# KiCad board SparkFun_RTK_Facet_mosaic_panelized.kicad_pcb (continued)
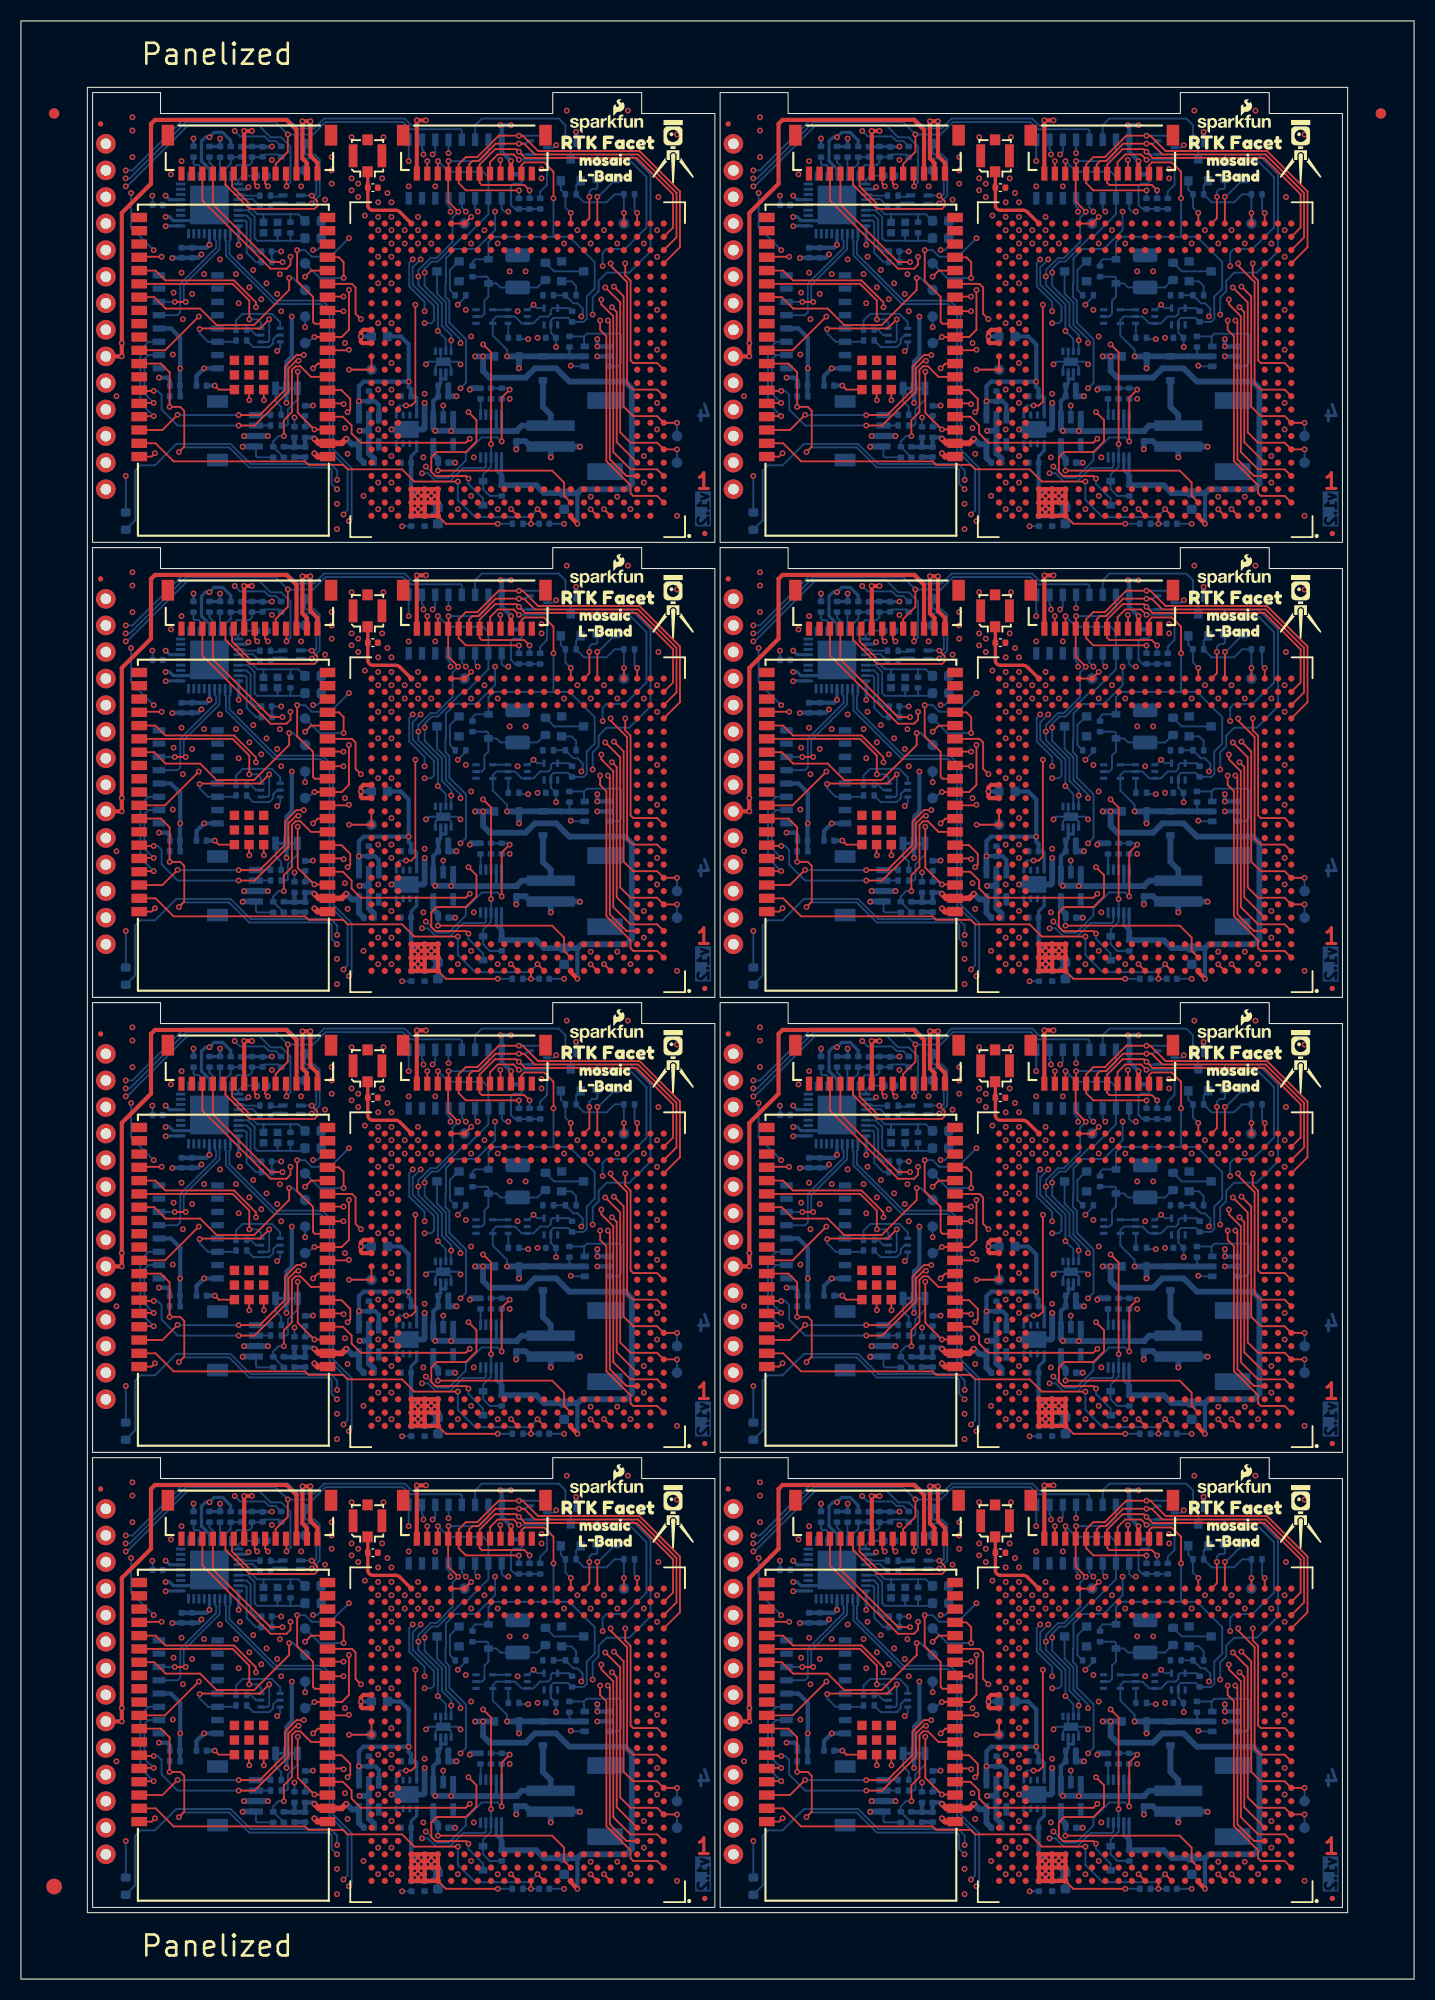
[diagram p0: board, top side]
## Routing (per net, layer and track width the routed paths; a pad name or vN(x,y) marks a point on that pad's centre or on a via; arc(x,y) is an arc through that point) (continued)
  Bottom w0.178: v1(98.6,114.81) 99.24,114.81 99.49,115.06 99.49,116.46 97.46,118.49 97.46,120.14 v1(98.22,120.9) ; U13#3.9 v1(97.08,43.3) ; U13.9 v1(97.08,130.3) ; v1(98.6,71.31) 99.24,71.31 99.49,71.56 99.49,72.96 97.46,74.99 97.46,76.64 v1(98.22,77.4) ; v1(38.22,33.9) 37.46,33.14 37.46,31.49 39.49,29.46 39.49,28.06 39.24,27.81 v1(38.6,27.81) ; U13#7.9 v1(37.08,130.3) ; v1(98.22,164.4) 97.46,163.64 97.46,161.99 99.49,159.96 99.49,158.56 99.24,158.31 v1(98.6,158.31) ; v1(38.22,164.4) 37.46,163.64 37.46,161.99 39.49,159.96 39.49,158.56 39.24,158.31 v1(38.6,158.31) ; v1(38.22,120.9) 37.46,120.14 37.46,118.49 39.49,116.46 39.49,115.06 39.24,114.81 v1(38.6,114.81) ; U13#6.9 v1(97.08,86.8) ; U13#5.9 v1(97.08,173.8) ; v1(38.22,77.4) 37.46,76.64 37.46,74.99 39.49,72.96 39.49,71.56 39.24,71.31 v1(38.6,71.31) ; v1(98.22,33.9) 97.46,33.14 97.46,31.49 99.49,29.46 99.49,28.06 99.24,27.81 v1(98.6,27.81) ; U13#8.9 v1(37.08,86.8) ; U13#4.9 v1(37.08,43.3) ; U13#2.9 v1(37.08,173.8)
ESP13/MTX1: length 433
  Top w0.178: U2#6.D1 120.82,100.84 118.28,100.84 116.63,102.49 116.63,115.46 115.49,116.61 v1(115.49,117.06) ; U1.16 30.4,121.1 30.85,120.65 v1(30.85,119.12) ; v1(55.49,73.56) 55.49,73.11 56.63,71.96 56.63,58.99 58.28,57.33 60.82,57.33 U2#5.D1 ; U2#8.D1 60.82,100.84 58.28,100.84 56.63,102.49 56.63,115.46 55.49,116.61 v1(55.49,117.06) ; U1#4.16 30.4,164.6 30.85,164.15 v1(30.85,162.62) ; v1(115.49,73.56) 115.49,73.11 116.63,71.96 116.63,58.99 118.28,57.33 120.82,57.33 U2#2.D1 ; v1(115.49,30.06) 115.49,29.61 116.63,28.46 116.63,15.49 118.28,13.84 120.82,13.84 U2#3.D1 ; v1(90.85,119.12) 90.85,120.65 90.4,121.1 U1#6.16 ; v1(115.49,160.56) 115.49,160.11 116.63,158.96 116.63,145.99 118.28,144.34 120.82,144.34 U2.D1 ; v1(90.85,75.62) 90.85,77.15 90.4,77.6 U1#2.16 ; U2#4.D1 60.82,13.84 58.28,13.84 56.63,15.49 56.63,28.46 55.49,29.61 v1(55.49,30.06) ; U1#3.16 30.4,77.6 30.85,77.15 v1(30.85,75.62) ; v1(30.85,32.12) 30.85,33.65 30.4,34.1 U1#7.16 ; U1#5.16 90.4,34.1 90.85,33.65 v1(90.85,32.12) ; v1(55.49,160.56) 55.49,160.11 56.63,158.96 56.63,145.99 58.28,144.34 60.82,144.34 U2#7.D1 ; v1(90.85,162.62) 90.85,164.15 90.4,164.6 U1#8.16
  In2.Cu w0.178: v1(90.85,119.12) 90.96,119.12 92.68,117.4 96.61,117.4 96.97,117.75 114.58,117.75 115.26,117.06 v1(115.49,117.06) ; v1(90.85,75.62) 90.96,75.62 92.68,73.9 96.61,73.9 96.97,74.25 114.58,74.25 115.26,73.56 v1(115.49,73.56) ; v1(55.49,30.06) 55.26,30.06 54.58,30.75 36.97,30.75 36.61,30.4 32.68,30.4 30.96,32.12 v1(30.85,32.12) ; v1(90.85,32.12) 90.96,32.12 92.68,30.4 96.61,30.4 96.97,30.75 114.58,30.75 115.26,30.06 v1(115.49,30.06) ; v1(30.85,162.62) 30.96,162.62 32.68,160.9 36.61,160.9 36.97,161.25 54.58,161.25 55.26,160.56 v1(55.49,160.56) ; v1(55.49,117.06) 55.26,117.06 54.58,117.75 36.97,117.75 36.61,117.4 32.68,117.4 30.96,119.12 v1(30.85,119.12) ; v1(90.85,162.62) 90.96,162.62 92.68,160.9 96.61,160.9 96.97,161.25 114.58,161.25 115.26,160.56 v1(115.49,160.56) ; v1(55.49,73.56) 55.26,73.56 54.58,74.25 36.97,74.25 36.61,73.9 32.68,73.9 30.96,75.62 v1(30.85,75.62)
  Bottom w0.178: TP15#4.1 88.57,162.62 v1(90.85,162.62) ; TP15#3.1 28.57,32.12 v1(30.85,32.12) ; TP15#2.1 28.57,75.62 v1(30.85,75.62) ; v1(90.85,75.62) 88.57,75.62 TP15#7.1 ; TP15#6.1 88.57,119.12 v1(90.85,119.12) ; TP15.1 28.57,119.12 v1(30.85,119.12) ; TP15#8.1 88.57,32.12 v1(90.85,32.12) ; TP15#5.1 28.57,162.62 v1(30.85,162.62)
ESP14/MRX1: length 447.8
  Top w0.178: v1(55.38,115.06) 55.38,114.16 55.97,113.56 55.97,101.62 58.28,99.31 58.28,98.55 58.54,98.3 60.82,98.3 U2#8.B1 ; v1(115.38,115.06) 115.38,114.16 115.97,113.56 115.97,101.62 118.28,99.31 118.28,98.55 118.54,98.3 120.82,98.3 U2#6.B1 ; U1#4.13 29.36,160.84 v1(30.84,160.84) ; U2#5.B1 60.82,54.8 58.54,54.8 58.28,55.05 58.28,55.81 55.97,58.12 55.97,70.06 55.38,70.66 v1(55.38,71.56) ; U1#5.13 89.37,30.34 v1(90.84,30.34) ; U2#2.B1 120.82,54.8 118.54,54.8 118.28,55.05 118.28,55.81 115.97,58.12 115.97,70.06 115.38,70.66 v1(115.38,71.56) ; U1#3.13 29.36,73.84 v1(30.84,73.84) ; v1(115.38,158.56) 115.38,157.66 115.97,157.06 115.97,145.12 118.28,142.81 118.28,142.05 118.54,141.8 120.82,141.8 U2.B1 ; v1(30.84,117.34) 29.36,117.34 U1.13 ; U2#4.B1 60.82,11.29 58.54,11.29 58.28,11.55 58.28,12.31 55.97,14.62 55.97,26.56 55.38,27.16 v1(55.38,28.06) ; U1#6.13 89.37,117.34 v1(90.84,117.34) ; U1#8.13 89.37,160.84 v1(90.84,160.84) ; U2#7.B1 60.82,141.8 58.54,141.8 58.28,142.05 58.28,142.81 55.97,145.12 55.97,157.06 55.38,157.66 v1(55.38,158.56) ; v1(30.84,30.34) 29.36,30.34 U1#7.13 ; U1#2.13 89.37,73.84 v1(90.84,73.84) ; v1(115.38,28.06) 115.38,27.16 115.97,26.56 115.97,14.62 118.28,12.31 118.28,11.55 118.54,11.29 120.82,11.29 U2#3.B1
  In2.Cu w0.178: v1(27.17,114.42) 27.25,114.5 29.79,114.5 30.32,115.03 30.32,116.82 v1(30.84,117.34) 31.45,116.74 36.89,116.74 37.24,117.09 54.09,117.09 55.38,115.81 v1(55.38,115.06) ; v1(87.17,157.92) 87.25,158 89.79,158 90.32,158.53 90.32,160.32 v1(90.84,160.84) 91.45,160.24 96.89,160.24 97.24,160.59 114.09,160.59 115.38,159.31 v1(115.38,158.56) ; v1(87.17,27.42) 87.25,27.5 89.79,27.5 90.32,28.03 90.32,29.82 v1(90.84,30.34) 91.45,29.74 96.89,29.74 97.24,30.09 114.09,30.09 115.38,28.81 v1(115.38,28.06) ; v1(115.38,115.06) 115.38,115.81 114.09,117.09 97.24,117.09 96.89,116.74 91.45,116.74 v1(90.84,117.34) 90.32,116.82 90.32,115.03 89.79,114.5 87.25,114.5 v1(87.17,114.42) ; v1(27.17,27.42) 27.25,27.5 29.79,27.5 30.32,28.03 30.32,29.82 v1(30.84,30.34) 31.45,29.74 36.89,29.74 37.24,30.09 54.09,30.09 55.38,28.81 v1(55.38,28.06) ; v1(55.38,158.56) 55.38,159.31 54.09,160.59 37.24,160.59 36.89,160.24 31.45,160.24 v1(30.84,160.84) 30.32,160.32 30.32,158.53 29.79,158 27.25,158 v1(27.17,157.92) ; v1(87.17,70.92) 87.25,71 89.79,71 90.32,71.53 90.32,73.32 v1(90.84,73.84) 91.45,73.24 96.89,73.24 97.24,73.59 114.09,73.59 115.38,72.31 v1(115.38,71.56) ; v1(27.17,70.92) 27.25,71 29.79,71 30.32,71.53 30.32,73.32 v1(30.84,73.84) 31.45,73.24 36.89,73.24 37.24,73.59 54.09,73.59 55.38,72.31 v1(55.38,71.56)
  Bottom w0.178: v1(27.17,157.92) TP16.1 ; v1(27.17,27.42) TP16#7.1 ; v1(87.17,70.92) TP16#4.1 ; v1(87.17,114.42) TP16#3.1 ; v1(87.17,157.92) TP16#2.1 ; v1(87.17,27.42) TP16#6.1 ; v1(27.17,70.92) TP16#5.1 ; v1(27.17,114.42) TP16#8.1
ESP15/SD_~{DET}: length 385.7
  Top w0.178: J4#6.4 45.85,43.4 v1(45.83,43.41) ; J4#2.4 45.85,86.9 v1(45.83,86.91) ; v1(73.45,34.16) 71.37,34.16 U1#5.23 ; U1#6.23 71.37,121.16 v1(73.45,121.16) ; v1(45.83,173.91) 45.85,173.9 J4#4.4 ; v1(105.83,43.41) 105.85,43.4 J4#7.4 ; J4#3.4 105.85,130.4 v1(105.83,130.41) ; v1(13.45,121.16) 11.36,121.16 U1.23 ; v1(45.83,130.41) 45.85,130.4 J4#5.4 ; U1#4.23 11.36,164.66 v1(13.45,164.66) ; U1#8.23 71.37,164.66 v1(73.45,164.66) ; J4#8.4 105.85,173.9 v1(105.83,173.91) ; v1(13.45,77.66) 11.36,77.66 U1#3.23 ; J4.4 105.85,86.9 v1(105.83,86.91) ; v1(13.45,34.16) 11.36,34.16 U1#7.23 ; v1(73.45,77.66) 71.37,77.66 U1#2.23
  In2.Cu w0.178: v1(13.45,77.66) 13.45,78.8 13.2,79.05 13.2,85.53 15.61,87.94 16.5,87.94 17.26,88.7 17.26,89.34 17.64,89.72 19.3,89.72 20.19,88.83 27.8,88.83 28.81,89.85 36.7,89.85 37.02,89.53 43.22,89.53 v1(45.83,86.91) ; v1(73.45,77.66) 73.45,78.8 73.2,79.05 73.2,85.53 75.61,87.94 76.5,87.94 77.26,88.7 77.26,89.34 77.65,89.72 79.3,89.72 80.19,88.83 87.8,88.83 88.81,89.85 96.7,89.85 97.02,89.53 103.22,89.53 v1(105.83,86.91) ; v1(45.83,173.91) 43.22,176.53 37.02,176.53 36.7,176.85 28.81,176.85 27.8,175.83 20.19,175.83 19.3,176.72 17.64,176.72 17.26,176.34 17.26,175.7 16.5,174.94 15.61,174.94 13.2,172.53 13.2,166.05 13.45,165.8 v1(13.45,164.66) ; v1(105.83,130.41) 103.22,133.03 97.02,133.03 96.7,133.35 88.81,133.35 87.8,132.33 80.19,132.33 79.3,133.22 77.65,133.22 77.26,132.84 77.26,132.2 76.5,131.44 75.61,131.44 73.2,129.03 73.2,122.55 73.45,122.3 v1(73.45,121.16) ; v1(45.83,43.41) 43.22,46.03 37.02,46.03 36.7,46.35 28.81,46.35 27.8,45.33 20.19,45.33 19.3,46.22 17.64,46.22 17.26,45.84 17.26,45.2 16.5,44.44 15.61,44.44 13.2,42.03 13.2,35.55 13.45,35.3 v1(13.45,34.16) ; v1(105.83,43.41) 103.22,46.03 97.02,46.03 96.7,46.35 88.81,46.35 87.8,45.33 80.19,45.33 79.3,46.22 77.65,46.22 77.26,45.84 77.26,45.2 76.5,44.44 75.61,44.44 73.2,42.03 73.2,35.55 73.45,35.3 v1(73.45,34.16) ; v1(73.45,164.66) 73.45,165.8 73.2,166.05 73.2,172.53 75.61,174.94 76.5,174.94 77.26,175.7 77.26,176.34 77.65,176.72 79.3,176.72 80.19,175.83 87.8,175.83 88.81,176.85 96.7,176.85 97.02,176.53 103.22,176.53 v1(105.83,173.91) ; v1(13.45,121.16) 13.45,122.3 13.2,122.55 13.2,129.03 15.61,131.44 16.5,131.44 17.26,132.2 17.26,132.84 17.64,133.22 19.3,133.22 20.19,132.33 27.8,132.33 28.81,133.35 36.7,133.35 37.02,133.03 43.22,133.03 v1(45.83,130.41)
ESP18/MEventB: length 571
  Top w0.178: U1#3.30 13.78,68.71 v1(17.01,71.94) ; U1#5.30 73.78,25.21 v1(77.01,28.44) ; U1#6.30 73.78,112.21 v1(77.01,115.44) ; U1#2.30 73.78,68.71 v1(77.01,71.94) ; v1(77.01,158.94) 73.78,155.71 U1#8.30 ; U1#4.30 13.78,155.71 v1(17.01,158.94) ; U1#7.30 13.78,25.21 v1(17.01,28.44) ; U1.30 13.78,112.21 v1(17.01,115.44)
  In2.Cu w0.178: v1(114.67,159.13) 114.22,159.57 112.57,159.57 111.81,158.81 100.25,158.81 99.11,157.67 93.65,157.67 93.39,157.92 90.73,157.92 88.62,155.82 85.25,155.82 84.8,156.27 84.35,156.27 83.47,157.16 78.79,157.16 v1(77.01,158.94) ; v1(77.01,71.94) 78.79,70.16 83.47,70.16 84.35,69.27 84.8,69.27 85.25,68.82 88.62,68.82 90.73,70.92 93.39,70.92 93.65,70.67 99.11,70.67 100.25,71.81 111.81,71.81 112.57,72.58 114.22,72.58 v1(114.67,72.13) ; v1(17.01,158.94) 18.79,157.16 23.47,157.16 24.35,156.27 24.8,156.27 25.25,155.82 28.62,155.82 30.73,157.92 33.39,157.92 33.65,157.67 39.11,157.67 40.25,158.81 51.81,158.81 52.57,159.57 54.22,159.57 v1(54.67,159.13) ; v1(114.67,115.63) 114.22,116.08 112.57,116.08 111.81,115.31 100.25,115.31 99.11,114.17 93.65,114.17 93.39,114.42 90.73,114.42 88.62,112.32 85.25,112.32 84.8,112.77 84.35,112.77 83.47,113.66 78.79,113.66 v1(77.01,115.44) ; v1(77.01,28.44) 78.79,26.66 83.47,26.66 84.35,25.77 84.8,25.77 85.25,25.32 88.62,25.32 90.73,27.42 93.39,27.42 93.65,27.17 99.11,27.17 100.25,28.31 111.81,28.31 112.57,29.07 114.22,29.07 v1(114.67,28.63) ; v1(17.01,28.44) 18.79,26.66 23.47,26.66 24.35,25.77 24.8,25.77 25.25,25.32 28.62,25.32 30.73,27.42 33.39,27.42 33.65,27.17 39.11,27.17 40.25,28.31 51.81,28.31 52.57,29.07 54.22,29.07 v1(54.67,28.63) ; v1(54.67,72.13) 54.22,72.58 52.57,72.58 51.81,71.81 40.25,71.81 39.11,70.67 33.65,70.67 33.39,70.92 30.73,70.92 28.62,68.82 25.25,68.82 24.8,69.27 24.35,69.27 23.47,70.16 18.79,70.16 v1(17.01,71.94) ; v1(54.67,115.63) 54.22,116.08 52.57,116.08 51.81,115.31 40.25,115.31 39.11,114.17 33.65,114.17 33.39,114.42 30.73,114.42 28.62,112.32 25.25,112.32 24.8,112.77 24.35,112.77 23.47,113.66 18.79,113.66 v1(17.01,115.44)
  Bottom w0.178: v1(54.67,72.13) 54.67,73.78 55.24,74.35 55.24,75.37 56,76.13 58.16,76.13 60.19,78.16 60.19,85.53 58.28,87.43 55.24,87.43 55.11,87.31 R41#4.1 ; R41.1 55.11,130.81 55.24,130.93 58.28,130.93 60.19,129.03 60.19,121.66 58.16,119.63 56,119.63 55.24,118.87 55.24,117.85 54.67,117.28 v1(54.67,115.63) ; v1(54.67,159.13) 54.67,160.78 55.24,161.35 55.24,162.37 56,163.13 58.16,163.13 60.19,165.16 60.19,172.53 58.28,174.43 55.24,174.43 55.11,174.31 R41#8.1 ; R41#6.1 115.11,87.31 115.24,87.43 118.28,87.43 120.19,85.53 120.19,78.16 118.16,76.13 116,76.13 115.24,75.37 115.24,74.35 114.67,73.78 v1(114.67,72.13) ; v1(54.67,28.63) 54.67,30.28 55.24,30.85 55.24,31.87 56,32.63 58.16,32.63 60.19,34.66 60.19,42.03 58.28,43.93 55.24,43.93 55.11,43.81 R41#7.1 ; v1(114.67,159.13) 114.67,160.78 115.24,161.35 115.24,162.37 116,163.13 118.16,163.13 120.19,165.16 120.19,172.53 118.28,174.43 115.24,174.43 115.11,174.31 R41#3.1 ; v1(114.67,28.63) 114.67,30.28 115.24,30.85 115.24,31.87 116,32.63 118.16,32.63 120.19,34.66 120.19,42.03 118.28,43.93 115.24,43.93 115.11,43.81 R41#5.1 ; v1(114.67,115.63) 114.67,117.28 115.24,117.85 115.24,118.87 116,119.63 118.16,119.63 120.19,121.66 120.19,129.03 118.28,130.93 115.24,130.93 115.11,130.81 R41#2.1
ESP19/CHG_STAT2: length 381.1
  Top w0.178: U1#8.31 73.38,154.44 74.22,153.61 v1(74.22,150.3) 75.23,150.3 75.61,149.92 75.61,146.49 v1(75.1,145.99) ; v1(75.1,102.49) 75.61,102.99 75.61,106.42 75.23,106.8 v1(74.22,106.8) 74.22,110.11 73.38,110.94 U1#6.31 ; v1(75.1,58.99) 75.61,59.49 75.61,62.92 75.23,63.3 v1(74.22,63.3) 74.22,66.61 73.38,67.44 U1#2.31 ; U1#3.31 13.38,67.44 14.22,66.61 v1(14.22,63.3) 15.23,63.3 15.61,62.92 15.61,59.49 v1(15.11,58.99) ; v1(15.11,145.99) 15.61,146.49 15.61,149.92 15.23,150.3 v1(14.22,150.3) 14.22,153.61 13.38,154.44 U1#4.31 ; U1.31 13.38,110.94 14.22,110.11 v1(14.22,106.8) 15.23,106.8 15.61,106.42 15.61,102.99 v1(15.11,102.49) ; v1(15.11,15.49) 15.61,15.99 15.61,19.42 15.23,19.8 v1(14.22,19.8) 14.22,23.11 13.38,23.94 U1#7.31 ; v1(75.1,15.49) 75.61,15.99 75.61,19.42 75.23,19.8 v1(74.22,19.8) 74.22,23.11 73.38,23.94 U1#5.31
  In2.Cu w0.178: v1(98.35,100.45) 96.82,98.93 v1(90.22,98.93) ; v1(30.22,55.43) 36.82,55.43 v1(38.35,56.95) ; v1(30.22,11.93) 36.82,11.93 v1(38.35,13.45) ; v1(98.35,56.95) 96.82,55.43 v1(90.22,55.43) ; v1(98.35,13.45) 96.82,11.93 v1(90.22,11.93) ; v1(30.22,98.93) 36.82,98.93 v1(38.35,100.45) ; v1(30.22,142.43) 36.82,142.43 v1(38.35,143.95) ; v1(90.22,142.43) 96.82,142.43 v1(98.35,143.95)
  Bottom w0.178: 14.21,63.31 v1(14.22,63.3) 14.22,64.32 R10#3.2 ; v1(75.1,145.99) 75.55,146.43 79.91,146.43 81.83,144.51 89.47,144.51 89.71,144.27 89.71,142.94 v1(90.22,142.43) ; v1(90.22,11.93) 89.71,12.44 89.71,13.77 89.47,14.01 81.83,14.01 79.91,15.93 75.55,15.93 v1(75.1,15.49) ; v1(30.22,142.43) 29.71,142.94 29.71,144.27 29.47,144.51 21.83,144.51 19.91,146.43 15.55,146.43 v1(15.11,145.99) ; v1(75.1,102.49) 75.55,102.93 79.91,102.93 81.83,101.01 89.47,101.01 89.71,100.77 89.71,99.44 v1(90.22,98.93) ; v1(15.11,58.99) 15.55,59.43 19.91,59.43 21.83,57.51 29.47,57.51 29.71,57.27 29.71,55.94 v1(30.22,55.43) ; R10#4.2 74.22,64.32 v1(74.22,63.3) 74.21,63.31 ; U10#7.4 44.45,144.6 44.31,144.46 42.28,144.46 41.01,143.19 39.68,143.19 38.92,143.95 v1(38.35,143.95) ; v1(30.22,11.93) 29.71,12.44 29.71,13.77 29.47,14.01 21.83,14.01 19.91,15.93 15.55,15.93 v1(15.11,15.49) ; v1(75.1,58.99) 75.55,59.43 79.91,59.43 81.83,57.51 89.47,57.51 89.71,57.27 89.71,55.94 v1(90.22,55.43) ; R10#6.2 14.22,107.82 v1(14.22,106.8) 14.21,106.81 ; v1(38.35,13.45) 38.92,13.45 39.68,12.69 41.01,12.69 42.28,13.96 44.31,13.96 44.45,14.1 U10#3.4 ; U10#6.4 104.45,57.6 104.31,57.46 102.28,57.46 101.01,56.19 99.68,56.19 98.92,56.95 v1(98.35,56.95) ; v1(30.22,98.93) 29.71,99.44 29.71,100.77 29.47,101.01 21.83,101.01 19.91,102.93 15.55,102.93 v1(15.11,102.49) ; U10#4.4 44.45,101.1 44.31,100.96 42.28,100.96 41.01,99.69 39.68,99.69 38.92,100.45 v1(38.35,100.45) ; R10#2.2 74.22,20.82 v1(74.22,19.8) 74.21,19.81 ; U10#5.4 104.45,14.1 104.31,13.96 102.28,13.96 101.01,12.69 99.68,12.69 98.92,13.45 v1(98.35,13.45) ; 74.21,150.31 v1(74.22,150.3) 74.22,151.32 R10.2 ; v1(98.35,100.45) 98.92,100.45 99.68,99.69 101.01,99.69 102.28,100.96 104.31,100.96 104.45,101.1 U10#8.4 ; 14.21,19.81 v1(14.22,19.8) 14.22,20.82 R10#5.2 ; R10#7.2 74.22,107.82 v1(74.22,106.8) 74.21,106.81 ; 14.21,150.31 v1(14.22,150.3) 14.22,151.32 R10#8.2 ; U10#2.4 104.45,144.6 104.31,144.46 102.28,144.46 101.01,143.19 99.68,143.19 98.92,143.95 v1(98.35,143.95) ; v1(38.35,56.95) 38.92,56.95 39.68,56.19 41.01,56.19 42.28,57.46 44.31,57.46 44.45,57.6 U10.4
ESP21/SDA: length 706.9
  Top w0.178: v1(86.53,24.21) 86.31,24.21 85.57,23.47 85.57,21.25 82.34,18.02 v1(80.82,18.02) ; v1(12.69,151.83) 11.39,151.83 U1#4.33 ; v1(20.82,18.02) 22.34,18.02 25.57,21.25 25.57,23.47 26.31,24.21 v1(26.53,24.21) ; J4#2.10 39.87,85.62 v1(39.87,86.8) ; v1(80.82,148.52) 82.34,148.52 85.57,151.75 85.57,153.97 86.31,154.71 v1(86.53,154.71) ; U1#3.33 11.39,64.83 v1(12.69,64.83) ; v1(99.87,173.8) 99.87,172.62 J4#8.10 ; v1(72.69,21.33) 71.39,21.33 U1#5.33 ; v1(86.53,111.21) 86.31,111.21 85.57,110.47 85.57,108.25 82.34,105.02 v1(80.82,105.02) ; v1(22.6,127.89) 22.35,128.13 J5#3.7 ; U1#7.33 11.39,21.33 v1(12.69,21.33) ; v1(82.6,171.39) 82.35,171.63 J5#4.7 ; v1(39.87,43.3) 39.87,42.12 J4#6.10 ; v1(72.69,151.83) 71.39,151.83 U1#8.33 ; J5#7.7 82.35,41.13 v1(82.6,40.89) ; v1(22.6,84.39) 22.35,84.63 J5#6.7 ; U1.33 11.39,108.33 v1(12.69,108.33) ; J5.7 82.35,128.13 v1(82.6,127.89) ; U1#2.33 71.39,64.83 v1(72.69,64.83) ; v1(39.87,173.8) 39.87,172.62 J4#4.10 ; U1#6.33 71.39,108.33 v1(72.69,108.33) ; v1(82.6,84.39) 82.35,84.63 J5#5.7 ; v1(80.82,61.52) 82.34,61.52 85.57,64.75 85.57,66.97 86.31,67.71 v1(86.53,67.71) ; v1(99.87,130.3) 99.87,129.12 J4#3.10 ; v1(99.87,86.8) 99.87,85.62 J4.10 ; v1(39.87,130.3) 39.87,129.12 J4#5.10 ; v1(26.53,154.71) 26.31,154.71 25.57,153.97 25.57,151.75 22.34,148.52 v1(20.82,148.52) ; v1(20.82,61.52) 22.34,61.52 25.57,64.75 25.57,66.97 26.31,67.71 v1(26.53,67.71) ; v1(26.53,111.21) 26.31,111.21 25.57,110.47 25.57,108.25 22.34,105.02 v1(20.82,105.02) ; J5#2.7 22.35,171.63 v1(22.6,171.39) ; v1(22.6,40.89) 22.35,41.13 J5#8.7 ; J4#7.10 99.87,42.12 v1(99.87,43.3)
  In2.Cu w0.178: v1(101.14,26.15) 100.89,25.9 93.61,25.9 91.91,24.21 v1(86.53,24.21) ; v1(98.6,32.64) 98.36,32.89 92.88,32.89 87.93,37.84 87.68,37.84 84.11,41.41 83.12,41.41 v1(82.6,40.89) ; v1(98.6,119.64) 98.36,119.88 92.88,119.88 87.93,124.84 87.68,124.84 84.11,128.41 83.12,128.41 v1(82.6,127.89) ; v1(98.6,163.14) 98.36,163.38 92.88,163.38 87.93,168.34 87.68,168.34 84.11,171.91 83.12,171.91 v1(82.6,171.39) ; v1(22.6,84.39) 23.12,84.91 24.11,84.91 27.68,81.34 27.93,81.34 32.89,76.39 38.36,76.39 v1(38.6,76.14) ; v1(98.6,76.14) 98.36,76.39 92.88,76.39 87.93,81.34 87.68,81.34 84.11,84.91 83.12,84.91 v1(82.6,84.39) ; v1(22.6,171.39) 23.12,171.91 24.11,171.91 27.68,168.34 27.93,168.34 32.89,163.38 38.36,163.38 v1(38.6,163.14) ; v1(101.14,113.15) 100.89,112.9 93.61,112.9 91.91,111.21 v1(86.53,111.21) ; v1(22.6,127.89) 23.12,128.41 24.11,128.41 27.68,124.84 27.93,124.84 32.89,119.88 38.36,119.88 v1(38.6,119.64) ; v1(38.6,32.64) 38.36,32.89 32.89,32.89 27.93,37.84 27.68,37.84 24.11,41.41 23.12,41.41 v1(22.6,40.89) ; v1(26.53,24.21) 31.91,24.21 33.61,25.9 40.89,25.9 v1(41.14,26.15) ; v1(41.14,69.65) 40.89,69.4 33.61,69.4 31.91,67.71 v1(26.53,67.71) ; v1(26.53,154.71) 31.91,154.71 33.61,156.4 40.89,156.4 v1(41.14,156.65) ; v1(41.14,113.15) 40.89,112.9 33.61,112.9 31.91,111.21 v1(26.53,111.21) ; v1(86.53,154.71) 91.91,154.71 93.61,156.4 100.89,156.4 v1(101.14,156.65) ; v1(86.53,67.71) 91.91,67.71 93.61,69.4 100.89,69.4 v1(101.14,69.65)
  Bottom w0.178: R4#2.2 82.48,148.53 J3#6.3 74.99,148.52 73.45,150.05 73.45,151.45 73.07,151.83 v1(72.69,151.83) ; U4#4.8 41.13,69.64 v1(41.14,69.65) 41.14,70.16 40.25,71.05 40.25,73.21 38.6,74.86 v1(38.6,76.14) 38.6,76.51 39.29,77.2 39.86,77.2 42.35,79.69 42.66,79.69 44.7,81.72 U13#8.2 44.7,85.28 44.19,85.78 40.89,85.78 v1(39.87,86.8) ; v1(99.87,130.3) 100.89,129.28 104.19,129.28 104.7,128.78 U13.2 104.7,125.22 102.66,123.19 102.35,123.19 99.86,120.7 99.29,120.7 98.6,120.01 v1(98.6,119.64) 98.6,118.36 100.25,116.71 100.25,114.55 101.14,113.66 v1(101.14,113.15) 101.13,113.14 U4#2.8 ; v1(39.87,173.8) 40.89,172.78 44.19,172.78 44.7,172.28 U13#2.2 44.7,168.72 42.66,166.69 42.35,166.69 39.86,164.2 39.29,164.2 38.6,163.51 v1(38.6,163.14) 38.6,161.86 40.25,160.21 40.25,158.05 41.14,157.16 v1(41.14,156.65) 41.13,156.64 U4#6.8 ; U4#8.8 41.13,26.14 v1(41.14,26.15) 41.14,26.66 40.25,27.55 40.25,29.71 38.6,31.36 v1(38.6,32.64) 38.6,33.01 39.29,33.7 39.86,33.7 42.35,36.19 42.66,36.19 44.7,38.22 U13#4.2 44.7,41.78 44.19,42.28 40.89,42.28 v1(39.87,43.3) ; R4#8.2 82.48,61.53 J3.3 74.99,61.52 73.45,63.05 73.45,64.45 73.07,64.83 v1(72.69,64.83) ; v1(39.87,130.3) 40.89,129.28 44.19,129.28 44.7,128.78 U13#7.2 44.7,125.22 42.66,123.19 42.35,123.19 39.86,120.7 39.29,120.7 38.6,120.01 v1(38.6,119.64) 38.6,118.36 40.25,116.71 40.25,114.55 41.14,113.66 v1(41.14,113.15) 41.13,113.14 U4#5.8 ; v1(12.69,108.33) 13.07,108.33 13.45,107.95 13.45,106.55 14.99,105.02 J3#4.3 22.48,105.03 R4#7.2 ; U4#7.8 101.13,26.14 v1(101.14,26.15) 101.14,26.66 100.25,27.55 100.25,29.71 98.6,31.36 v1(98.6,32.64) 98.6,33.01 99.29,33.7 99.86,33.7 102.35,36.19 102.66,36.19 104.7,38.22 U13#3.2 104.7,41.78 104.19,42.28 100.89,42.28 v1(99.87,43.3) ; R4#3.2 22.48,148.53 J3#8.3 14.99,148.52 13.45,150.05 13.45,151.45 13.07,151.83 v1(12.69,151.83) ; v1(72.69,108.33) 73.07,108.33 73.45,107.95 73.45,106.55 74.99,105.02 J3#5.3 82.48,105.03 R4#6.2 ; v1(99.87,173.8) 100.89,172.78 104.19,172.78 104.7,172.28 U13#5.2 104.7,168.72 102.66,166.69 102.35,166.69 99.86,164.2 99.29,164.2 98.6,163.51 v1(98.6,163.14) 98.6,161.86 100.25,160.21 100.25,158.05 101.14,157.16 v1(101.14,156.65) 101.13,156.64 U4#3.8 ; v1(12.69,21.33) 13.07,21.33 13.45,20.95 13.45,19.55 14.99,18.02 J3#7.3 22.48,18.03 R4#4.2 ; v1(12.69,64.83) 13.07,64.83 13.45,64.45 13.45,63.05 14.99,61.52 J3#3.3 22.48,61.53 R4.2 ; R4#5.2 82.48,18.03 J3#2.3 74.99,18.02 73.45,19.55 73.45,20.95 73.07,21.33 v1(72.69,21.33) ; U4.8 101.13,69.64 v1(101.14,69.65) 101.14,70.16 100.25,71.05 100.25,73.21 98.6,74.86 v1(98.6,76.14) 98.6,76.51 99.29,77.2 99.86,77.2 102.35,79.69 102.66,79.69 104.7,81.72 U13#6.2 104.7,85.28 104.19,85.78 100.89,85.78 v1(99.87,86.8)
ESP22/SCL: length 666.2
  Top w0.178: v1(74.98,62.54) 73.53,61.09 U1#2.36 ; v1(74.98,106.04) 73.53,104.59 U1#6.36 ; v1(23.61,171.39) 23.35,171.65 J5#2.6 ; U1#4.36 13.53,148.09 v1(14.98,149.54) ; v1(83.61,127.89) 83.35,128.15 J5.6 ; J5#4.6 83.35,171.65 v1(83.61,171.39) ; v1(14.98,19.04) 13.53,17.59 U1#7.36 ; v1(80.82,106.02) 82.83,106.02 85.24,108.43 85.24,110.65 86.35,111.76 v1(87.04,111.76) ; J5#7.6 83.35,41.15 v1(83.61,40.89) ; U1#3.36 13.53,61.09 v1(14.98,62.54) ; v1(27.04,111.76) 26.35,111.76 25.24,110.65 25.24,108.43 22.83,106.02 v1(20.82,106.02) ; v1(41.81,168.96) 40.85,169.92 J4#4.9 40.89,172.64 v1(40.89,173.8) ; v1(100.89,130.3) 100.89,129.14 J4#3.9 100.85,126.42 v1(101.81,125.46) ; v1(20.82,62.52) 22.83,62.52 25.24,64.93 25.24,67.15 26.35,68.26 v1(27.04,68.26) ; v1(100.89,43.3) 100.89,42.14 J4#7.9 100.85,39.42 v1(101.81,38.46) ; v1(27.04,24.76) 26.35,24.76 25.24,23.65 25.24,21.43 22.83,19.02 v1(20.82,19.02) ; J5#8.6 23.35,41.15 v1(23.61,40.89) ; v1(14.98,106.04) 13.53,104.59 U1.36 ; v1(74.98,149.54) 73.53,148.09 U1#8.36 ; v1(23.61,127.89) 23.35,128.15 J5#3.6 ; v1(40.89,43.3) 40.89,42.14 J4#6.9 40.85,39.42 v1(41.81,38.46) ; v1(80.82,62.52) 82.83,62.52 85.24,64.93 85.24,67.15 86.35,68.26 v1(87.04,68.26) ; v1(20.82,149.52) 22.83,149.52 25.24,151.93 25.24,154.15 26.35,155.26 v1(27.04,155.26) ; J5#6.6 23.35,84.65 v1(23.61,84.39) ; v1(100.89,173.8) 100.89,172.64 J4#8.9 100.85,169.92 v1(101.81,168.96) ; v1(87.04,155.26) 86.35,155.26 85.24,154.15 85.24,151.93 82.83,149.52 v1(80.82,149.52) ; v1(83.61,84.39) 83.35,84.65 J5#5.6 ; v1(41.81,81.96) 40.85,82.92 J4#2.9 40.89,85.64 v1(40.89,86.8) ; v1(80.82,19.02) 82.83,19.02 85.24,21.43 85.24,23.65 86.35,24.76 v1(87.04,24.76) ; U1#5.36 73.53,17.59 v1(74.98,19.04) ; v1(41.81,125.46) 40.85,126.42 J4#5.9 40.89,129.14 v1(40.89,130.3) ; v1(100.89,86.8) 100.89,85.64 J4.9 100.85,82.92 v1(101.81,81.96)
  In2.Cu w0.178: v1(98,119.26) 97.33,119.26 97.09,119.5 92.76,119.5 87.81,124.46 87.55,124.46 84.12,127.89 v1(83.61,127.89) ; v1(27.04,155.26) 28.69,155.26 30.99,157.56 33.13,157.56 33.39,157.29 39.6,157.29 v1(39.86,157.55) ; v1(38,119.26) 37.33,119.26 37.09,119.5 32.76,119.5 27.81,124.46 27.55,124.46 24.12,127.89 v1(23.61,127.89) ; v1(39.86,114.05) 39.6,113.79 33.39,113.79 33.13,114.06 30.99,114.06 28.69,111.76 v1(27.04,111.76) ; v1(27.04,24.76) 28.69,24.76 30.99,27.06 33.13,27.06 33.39,26.79 39.6,26.79 v1(39.86,27.05) ; v1(99.86,27.05) 99.6,26.79 93.39,26.79 93.13,27.06 90.99,27.06 88.69,24.76 v1(87.04,24.76) ; v1(38,75.76) 37.33,75.76 37.09,76 32.76,76 27.81,80.96 27.55,80.96 24.12,84.39 v1(23.61,84.39) ; v1(39.86,70.55) 39.6,70.29 33.39,70.29 33.13,70.56 30.99,70.56 28.69,68.26 v1(27.04,68.26) ; v1(83.61,84.39) 84.12,84.39 87.55,80.96 87.81,80.96 92.76,76 97.09,76 97.33,75.76 v1(98,75.76) ; v1(99.86,70.55) 99.6,70.29 93.39,70.29 93.13,70.56 90.99,70.56 88.69,68.26 v1(87.04,68.26) ; v1(83.61,40.89) 84.12,40.89 87.55,37.46 87.81,37.46 92.76,32.5 97.09,32.5 97.33,32.26 v1(98,32.26) ; v1(23.61,171.39) 24.12,171.39 27.55,167.96 27.81,167.96 32.76,163 37.09,163 37.33,162.76 v1(38,162.76) ; v1(99.86,157.55) 99.6,157.29 93.39,157.29 93.13,157.56 90.99,157.56 88.69,155.26 v1(87.04,155.26) ; v1(87.04,111.76) 88.69,111.76 90.99,114.06 93.13,114.06 93.39,113.79 99.6,113.79 v1(99.86,114.05) ; v1(38,32.26) 37.33,32.26 37.09,32.5 32.76,32.5 27.81,37.46 27.55,37.46 24.12,40.89 v1(23.61,40.89) ; v1(98,162.76) 97.33,162.76 97.09,163 92.76,163 87.81,167.96 87.55,167.96 84.12,171.39 v1(83.61,171.39)
  Bottom w0.178: v1(41.81,81.96) 41.27,81.41 41.27,79.07 39.72,77.53 39.15,77.53 38,76.38 v1(38,75.76) 38,74.95 39.86,73.09 v1(39.86,70.55) 40.62,69.79 40.62,68.62 U4#4.7 ; U4.7 100.62,68.62 100.62,69.79 v1(99.86,70.55) 99.86,73.09 98,74.95 v1(98,75.76) 98,76.38 99.15,77.53 99.72,77.53 101.27,79.07 101.27,81.41 v1(101.81,81.96) ; v1(14.98,19.04) 15,19.02 J3#7.4 22.5,19.04 R6#6.2 ; v1(100.89,173.8) 103.81,173.8 104.7,174.69 U13#5.15 ; R6#2.2 82.5,149.54 J3#6.4 75,149.52 v1(74.98,149.54) ; v1(100.89,43.3) 103.81,43.3 104.7,44.19 U13#3.15 ; v1(74.98,62.54) 75,62.52 J3.4 82.5,62.54 R6#5.2 ; R6#8.2 22.5,62.54 J3#3.4 15,62.52 v1(14.98,62.54) ; U4#2.7 100.62,112.12 100.62,113.29 v1(99.86,114.05) 99.86,116.59 98,118.45 v1(98,119.26) 98,119.88 99.15,121.03 99.72,121.03 101.27,122.57 101.27,124.91 v1(101.81,125.46) ; U13#8.15 44.7,87.69 43.81,86.8 v1(40.89,86.8) ; R6#7.2 82.5,19.04 J3#2.4 75,19.02 v1(74.98,19.04) ; R6#3.2 22.5,149.54 J3#8.4 15,149.52 v1(14.98,149.54) ; v1(40.89,43.3) 43.81,43.3 44.7,44.19 U13#4.15 ; U13.15 104.7,131.19 103.81,130.3 v1(100.89,130.3) ; U4#7.7 100.62,25.12 100.62,26.29 v1(99.86,27.05) 99.86,29.59 98,31.45 v1(98,32.26) 98,32.88 99.15,34.03 99.72,34.03 101.27,35.57 101.27,37.91 v1(101.81,38.46) ; v1(41.81,168.96) 41.27,168.41 41.27,166.07 39.72,164.53 39.15,164.53 38,163.38 v1(38,162.76) 38,161.95 39.86,160.09 v1(39.86,157.55) 40.62,156.79 40.62,155.62 U4#6.7 ; U13#6.15 104.7,87.69 103.81,86.8 v1(100.89,86.8) ; U4#8.7 40.62,25.12 40.62,26.29 v1(39.86,27.05) 39.86,29.59 38,31.45 v1(38,32.26) 38,32.88 39.15,34.03 39.72,34.03 41.27,35.57 41.27,37.91 v1(41.81,38.46) ; v1(74.98,106.04) 75,106.02 J3#5.4 82.5,106.04 R6#4.2 ; U13#2.15 44.7,174.69 43.81,173.8 v1(40.89,173.8) ; v1(41.81,125.46) 41.27,124.91 41.27,122.57 39.72,121.03 39.15,121.03 38,119.88 v1(38,119.26) 38,118.45 39.86,116.59 v1(39.86,114.05) 40.62,113.29 40.62,112.12 U4#5.7 ; U13#7.15 44.7,131.19 43.81,130.3 v1(40.89,130.3) ; v1(14.98,106.04) 15,106.02 J3#4.4 22.5,106.04 R6.2 ; v1(101.81,168.96) 101.27,168.41 101.27,166.07 99.72,164.53 99.15,164.53 98,163.38 v1(98,162.76) 98,161.95 99.86,160.09 v1(99.86,157.55) 100.62,156.79 100.62,155.62 U4#3.7
